# Allegro board HY_MPMB_2S12_RZ_V10A.brd (continued)
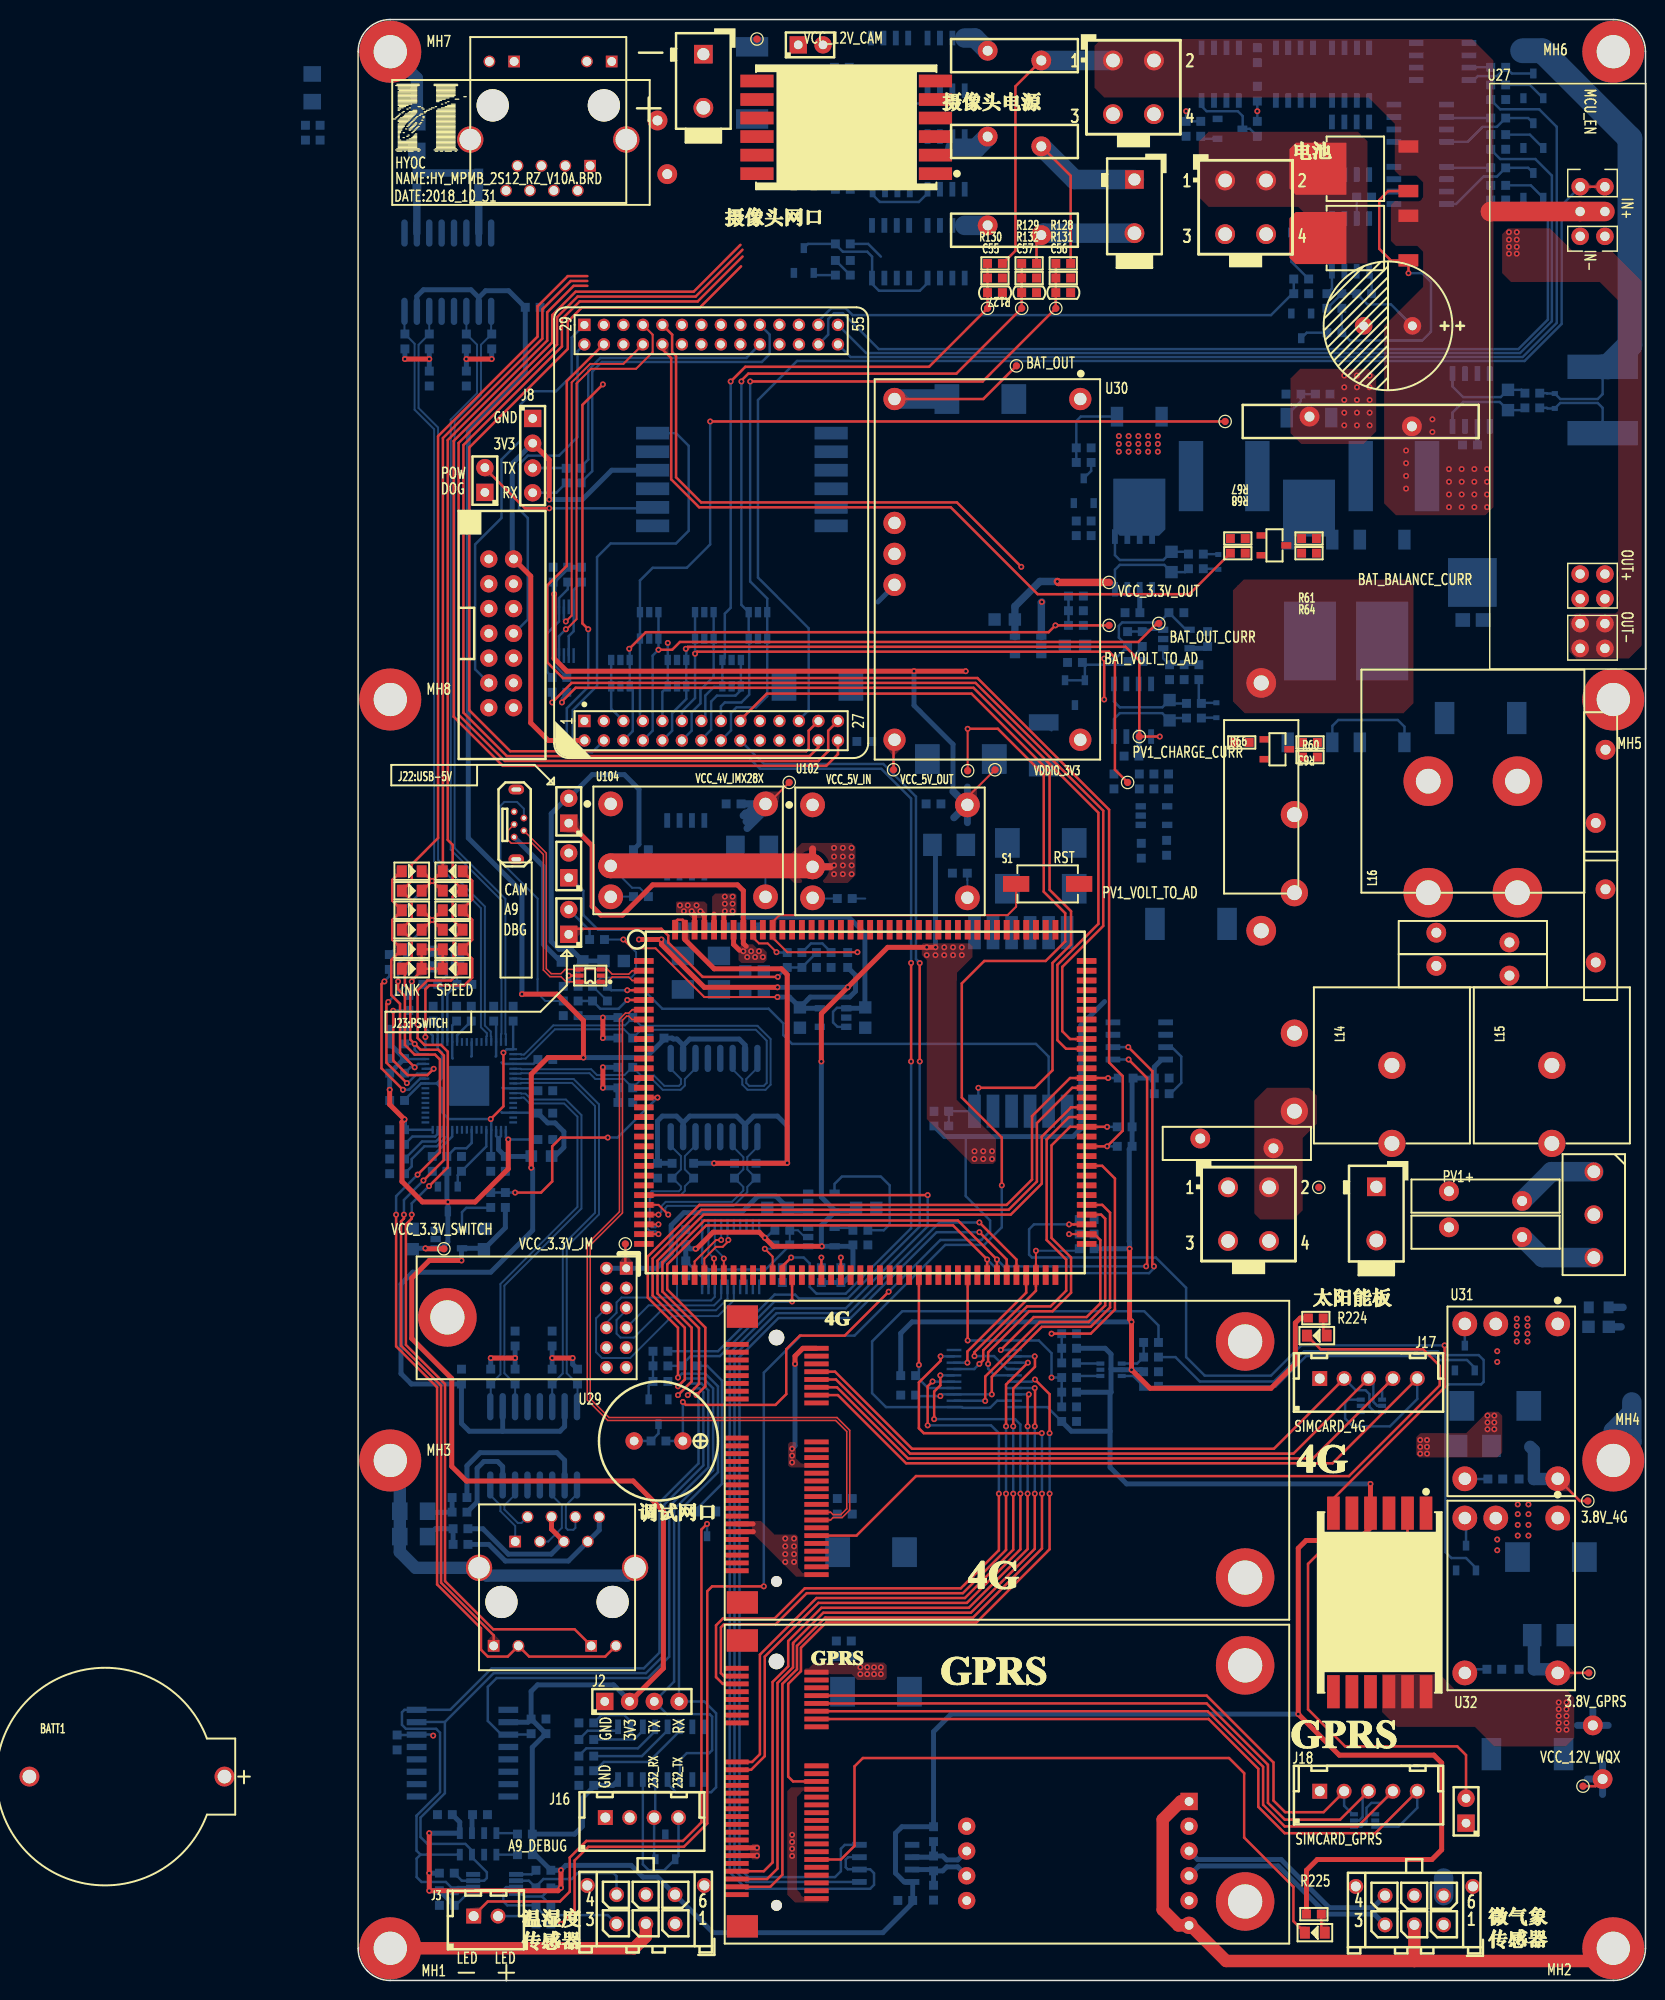
[diagram p0: board, top side]
## Nets (continued)
Pads without a net: J5 4; J9 4 6 10 12 13 14; J16 2; J19 5; J20 5; MH6 1; MH8 1; T1 4 5 12 13; T2 4 5 12 13; T3 4 5 12 13; U1 19 20 21 22 24 31 33 34 42 43 44 45 46 49 50 51 52; U4 9 10 11 12; U5 1; U15 7 8 10 11 28 29 31 32 41 42 43 51 52 53; U16 6; U19 3; U20 4; U25 4; U26 4; U30 3 4; U34 4; U35 3; U39 2 5; U42 3; U49 4 8; U50 7 8 9 10; U51 6 7 8 9 11 12 13 14; U56 1 3 5 6 7 11 13 16 17 19 20 22 23 25 28 30 31 32 33 44 45 46 47 48 49 51; U57 1 6 7 11 13 16 20 23 25 28 30 31 32 33 36 38 44 46 48 51; U58 1; U96 1 8 9 10 11 12 13 14 16 17 18 19 20 21 22 23 24 31 32 37 38 39 40 44 45 47 49 50 51 52 53 54 55 57 58 59 60 62 71 76 77 78 80 82 86 89 90 93 94 95 96 97 98 101 102 103 104 105 106 107 108 109 110 111 112 113 114 115 116 117 118 119 120 123 124 125 126 127 128 129 131; U99 1 4; U103 4; U106 4

## Via types
v1: diameter 0.61, hole 0.305, TOP to BOTTOM, 361 vias

## Routing (per net, layer and track width the routed paths; a pad name or vN(x,y) marks a point on that pad's centre or on a via; arc(x,y) is an arc through that point)
3.8V_4G: length 25.5
  TOP w0.254: TP26.1 125.27,49.15 U31.5
  TOP w0.508: U56.2 45.6,64.8 44.8,64 v1(44.8,63.2) ; 40.5,46 U56.41 ; U56.39 40.5,46.8
  BOTTOM w0.508: v1(44.8,63.2) 44.8,54.8 v1(44.5,54.5)
  BOTTOM w1.27: 120.19,54.7 120.56,54.32 C64.1 122.97,51.4 U31.5
  vias: v1(43.8,45.3) v1(43.8,44.5) v1(43.8,43.7) v1(43.8,42.9) v1(44.5,53.8) v1(44.5,53.1) v1(44.7,45.3) v1(44.7,44.5) v1(44.7,43.7) v1(44.7,42.9) v1(108.9,55.4) v1(108.9,54.7) v1(108.9,54) v1(109.6,55.4) v1(109.6,54.7) v1(109.6,54) v1(115.8,57.9) v1(115.8,57.2) v1(115.8,56.5) v1(116.5,57.9) v1(116.5,57.2) v1(116.5,56.5)
3.8V_GPRS: length 13.6
  TOP w0.254: U32.5 123.01,31.53 TP27.1
  TOP w0.508: U57.41 v1(40.9,12.8) ; U57.39 v1(40.9,13.6)
  BOTTOM w1.27: C69.1 120.56,35.22 C70.1 122.62,31.9 U32.5
  vias: v1(44.5,14.94) v1(44.5,14.2) v1(44.5,13.5) v1(44.5,12.76) v1(51.5,32.1) v1(51.5,31.4) v1(52.2,32.1) v1(52.2,31.4) v1(52.9,32.1) v1(52.9,31.4) v1(53.6,32.1) v1(53.6,31.4)
5V_LED+: length 4.2
  BOTTOM w0.254: R98.2 17.44,6.6 J3.2
5V_LED-: length 61.5
  TOP w0.254: v1(35.78,46.8) 35.2,46.22 35.2,16.2 33.3,14.3 23.4,14.3 21.7,12.6 21.7,9.1 20.7,8.1 13.3,8.1 11.85,6.65 J3.1
  BOTTOM w0.254: v1(35.78,46.8) Q56.3
GND_EARTH: length 14.9
  BOTTOM w0.762: R156.1 129.7,69 ; C83.2 129.5,67
  BOTTOM w2: 130.4,58 128.7,56.3 MH4.1 130.6,55.2 130.6,59.3
PV1_CHARGE_CURR: length 68.4
  TOP w0.254: v1(82.2,127.5) TP6.1 80.1,135.3 78.7,136.7 33.8,136.7 v1(33.6,136.5)
  BOTTOM w0.254: v1(33.6,136.5) 33.65,136.45 U54.3 U54.4 33.65,131.35 32.2,129.9 32.2,128.1 U1.10 ; U20.5 v1(82.2,127.5)
PV1_CHARGE_DIODE: length 78.2
  TOP w0.254: R68.2 85.24,142.1 69.67,142.1 60.77,151 34.97,151 32.1,153.87 32.1,166.3 31.2,167.2 U1.38
PV1_VOLT_TO_AD: length 68.4
  TOP w0.254: TP5.1 77.6,124.1 77.6,135.6 77,136.2 34.75,136.2 v1(34.55,136)
  BOTTOM w0.254: U1.11 33.2,130.1 34.55,131.45 v1(34.55,136) U107.6 U107.1
PV2_CHARGE_CURR: length 8.2
  BOTTOM w0.254: U1.9 31.2,132.1 U54.6 U54.1 v1(31.75,137.1)
PV2_VOLT_TO_AD: length 11
  BOTTOM w0.254: U108.3 U108.4 39.25,132.25 38.7,131.7 36.8,131.7 36.2,131.1 36.2,128.2 35.2,127.2 U1.14
VBUS: length 39.8
  BOTTOM w0.508: L2.1 C4.2 ; L2.1 22.56,104.02 R375.1 ; L2.1 21.84,105.7 20.6,105.7 19.8,106.5 19.8,119.6 21.37,121.17 J22.2 21.6,121.2 24,123.6 27.3,123.6 28.8,122.1 28.8,116.46 R230.1
VBUS_5V: length 35.1
  TOP w0.508: U96.134 38.5,106.2 39.1,105.6 ; J22.1 21.67,118.63 24,116.3 24,110.1 24.9,109.2 27.1,109.2 30.2,112.3 38.9,112.3 39.5,111.7 U96.133 39.5,106.3 39.8,106
  vias: v1(39.5,105.5) v1(39.9,104.9) v1(40.3,105.5) v1(40.7,104.9) v1(41.1,105.5) v1(41.5,104.9)
VCC_2.5V: length 77.5
  TOP w0.254: U96.140 32.5,108.47 32.75,108.72 33.28,108.72 33.5,108.5 U96.139
  TOP w0.508: v1(36.5,83.76) 43.96,83.76 v1(44,83.8) 44,103.1 43.4,103.7 36.5,103.7 33.5,106.7 U96.139
  BOTTOM w0.508: 33.33,87.92 32.65,88.6 31.2,88.6 30.7,88.1 C110.1 R210.2 ; 33.33,87.92 34,88.6 38.8,88.6 39.67,87.72 ; 33.33,87.92 T3.15 ; 39.67,87.72 40.55,88.6 43,88.6 44,87.6 v1(44,83.8) 40.84,83.8 R213.2 ; 39.67,87.72 T3.10 ; R212.2 v1(36.5,83.76) R211.2
VCC_2.5V_REF: length 10.7
  BOTTOM w0.254: 74.5,134.87 78.6,134.87 C48.2 80.4,136.66 R86.1 ; 74.5,134.87 74.52,134.85 U48.2 U48.1 ; 74.5,134.87 R220.2
VCC_3.3V_JM: length 28.6
  TOP w0.254: U4.1 27.4,73.1 TP25.1
  BOTTOM w0.508: U4.2 U4.1 30.6,73 32.1,74.5 32.1,77.4 33.4,78.7 39.3,78.7 41,80.4 42.84,80.4 C74.1 44.39,78.85 U35.1
VCC_3.3V_JTAG: length 55.1
  TOP w0.508: 17.97,157.57 J8.2 19.6,155.87 v1(19.6,151.8) ; J9.2 17.7,143.94 17.7,128.9 19.5,127.1 U1.2
  BOTTOM w0.508: v1(19.6,151.8) 23,151.8 26,154.8 U45.4 30.3,154.8 ; J9.2 15.8,145.84 15.8,155.47 J8.2
VCC_3.3V_OUT: length 101.9
  TOP w0.254: v1(54.4,70.6) 49.9,66.1 45.3,66.1 43.9,64.7 43.9,60.1 42.8,59 33.6,59 v1(33.3,59.3)
  TOP w0.762: v1(71.7,143.4) 71.8,143.3 TP24.1
  BOTTOM w0.254: R136.1 U29.1 v1(33.3,59.3) ; v1(54.4,70.6) 59.7,75.9 63.9,75.9 64.8,76.8 64.8,77.9 62.3,80.4 62.3,86.5
  BOTTOM w0.508: 76.54,100.34 74.1,97.9 74.1,87.3 73.3,86.5 60.14,86.5 R145.1
  BOTTOM w0.762: v1(71.7,143.4) 69.9,143.4 67.35,140.85 67.35,139.5 ; U34.5 67.35,139.5 ; 67.35,139.5 C76.1
VCC_3.3V_SWITCH: length 57.2
  TOP w0.508: TP22.1 6.95,75 v1(6.9,75.05) ; v1(3.24,91.3) 3.24,89.79 v1(4.76,88.26) 4.5,88 4.5,81.9 6.6,79.8 v1(9.2,79.8) 12,79.8 15.4,83.2 v1(15.4,86.2)
  BOTTOM w0.254: C92.2 4.81,94.45 U15.62 ; U15.33 15.15,86.45 v1(15.4,86.2) C93.2 ; U15.48 C94.2
  BOTTOM w0.508: R195.2 9.1,79.9 v1(9.2,79.8) U47.3 9.2,75.7 8.55,75.05 U42.1 v1(6.9,75.05) 5.69,75.05 C82.1 ; R182.1 R183.2 3.26,96 C92.2 4.74,94.5 R184.2 v1(3.24,91.3) ; C94.2 v1(4.76,88.26)
VCC_3V3_USB: length 45.6
  TOP w0.203: v1(27.2,106.7) 28.1,105.8 30.5,105.8 35.5,100.8 v1(43,100.8)
  BOTTOM w0.203: R372.2 v1(27.2,106.7) 28.5,105.4 28.5,103.3 28,102.8 24.9,102.8 24.04,101.94 R350.1 24.06,101.9 R351.1
  BOTTOM w0.508: R369.2 51,103.04 51,101.4 50.4,100.8 46.36,100.8 C242.1 ; C242.1 44.24,100.8 44.1,100.8 ; C242.1 45.39,99.65 U106.5 ; 44.1,100.8 44.31,100.59 ; 44.1,100.8 v1(43,100.8)
VCC_4V_IMX28X: length 30.2
  TOP w0.508: U96.136 36.5,109.3 ; U96.135 37.5,109.3
  BOTTOM w0.254: U106.1 50,99.7 49.1,99.7 48.7,99.3 48.7,98.2 49.15,97.75 U106.3
  BOTTOM w0.508: 39.4,109 50.3,109 51.96,107.34 51.96,99.78 C241.1 51.91,99.65 U106.1
  vias: v1(37.6,111.1) v1(37.6,110.36) v1(37.6,109.6) v1(38.4,111.1) v1(38.4,110.36) v1(38.4,109.6)
VCC_5V_IN: length 5.6
  TOP w0.254: TP17.1 54.9,127.08 U30.6
  BOTTOM w0.508: 53.3,141.3 55,143 U30.5
VCC_5V_OUT: length 189.7
  TOP w0.203: TP18.1 v1(62.5,128.3)
  TOP w0.254: v1(66,81.5) 66,86.4 61.9,90.5 61.9,102.2 64.2,104.5 70.5,104.5 72.5,106.5 72.5,109.4 70.3,111.6 70.3,123.6 65.6,128.3 v1(62.5,128.3) ; v1(41.6,40.4) 36.3,40.4 35.8,39.9 35.8,16.1 33.4,13.7 23.6,13.7 22.2,12.3 22.2,7.2 v1(20.8,5.8)
  BOTTOM w0.254: v1(41.6,40.4) 41.6,62.3 45.4,66.1 50.9,66.1 60.2,75.4 64.2,75.4 66,77.2 v1(66,81.5) ; R98.1 v1(20.8,5.8) ; L8.1 71.1,128.15
  BOTTOM w0.508: U26.6 C54.1 ; U20.6 80.06,127.48 C39.1 ; C47.2 86.91,136.55 U24.5 ; U25.6 80.14,140.22 C50.1
  BOTTOM w0.762: v1(70.1,141.3) 70.05,141.25 U34.1
VCC_12V_WQX: length 8.8
  TOP w0.254: TP23.1 126.87,19.92 F4.2
  BOTTOM w0.711: 127.6,19.07 F4.2 ; F4.2 126.03,20.65 ; F4.2 127.6,22.23
  BOTTOM w2: J20.6 111.3,10.5
VDDIO_3V3: length 693.7
  TOP w0.203: TP28.1 62.48,121.28 U102.5
  TOP w0.508: v1(7.3,15.1) v1(7.3,11) v1(7.3,9.2) 20.5,9.2 v1(20.8,9.5) v1(20.8,11.3) ; v1(10.6,73.8) 7.3,73.8 5.5,72 5.5,65.8 9.6,61.7 9.6,52.7 11.1,51.2 28.2,51.2 31.3,48.1 31.3,32 27.9,28.6 J2.2 ; v1(47.5,94.2) 47.5,99.1 v1(50.2,101.8) 54.3,105.9 v1(58.3,105.9) v1(59.2,105.9) ; U96.137 35.5,109.2 v1(35.1,109.6) ; v1(34.2,109.6) 34.2,109.53 34.5,109.23 U96.138 ; v1(43,101.8) 35.5,101.8 31.1,106.2 v1(31.1,106.7) v1(28.8,106.7) ; v1(34.6,75) 34.7,75 36.4,76.7 41.13,76.7 v1(41.7,76.13) 42.58,75.25 v1(47.55,75.25) ; v1(79.1,75) 79.1,67.8 79.3,67.6 v1(79.3,67.5) v1(79.3,62.6) 81.2,60.7 93.6,60.7 96.1,63.2 96.1,67.4 96.6,67.9 R224.1 ; v1(20.1,142.1) 20.1,135.5 21.4,134.2 v1(57,134.2) v1(62.3,134.2) ; v1(103.8,50.9) U44.4 103.8,46.4 102.5,45.1 97.2,45.1 96.4,44.3 v1(96.4,27.3) 100.6,23.1 110.3,23.1 111.1,22.3 111.1,13.4 110.1,12.4 98.35,12.4 97.24,11.29 R225.1
  BOTTOM w0.254: C2.1 35.27,72.09 U51.20 ; R149.2 42.6,76.9 41.83,76.13 v1(41.7,76.13) ; C121.1 70.66,58.77 U8.20 ; U17.8 16.77,8.93 17.1,8.6 18.86,8.6 ; U17.1 11.22,8.93 10,7.7 C35.2 ; R47.1 18.86,8.6 ; 18.86,8.6 R46.1 ; R53.1 C38.2 ; U49.1 v1(20.1,142.1)
  BOTTOM w0.508: R50.1 v1(7.3,11) ; R48.1 R49.1 18.16,12.9 R52.1 v1(20.8,11.3) 21.3,11.8 28,11.8 29.2,10.6 30.7,10.6 J19.6 36.4,4.9 53.8,4.9 56.86,7.96 C86.2 56.86,10.04 U40.8 56,10.1 55.1,11 55.1,15.1 55.76,15.76 R175.1 59,25.5 60.8,27.3 v1(96.4,27.3) ; R48.1 22.2,15 23,15.8 23,18.7 24.16,19.86 C120.2 26.15,20 26.66,20.51 U50.16 ; R48.1 17.86,23.9 R374.2 17.76,26.8 C239.2 ; 77.1,56.3 77.1,60.2 77.2,60.3 ; 77.1,56.3 77.1,52.6 78.8,50.9 v1(103.8,50.9) ; 77.1,56.3 73.14,56.3 C121.1 ; C73.1 50.71,78.85 U35.5 48.81,78.89 ; 48.81,78.89 48.81,78.71 47.5,77.4 47.5,75.3 v1(47.55,75.25) U36.5 50.59,75.25 C72.2 50.74,72.54 49.74,71.54 R355.2 R354.2 ; 48.81,78.89 48.81,78.99 47.5,80.3 v1(47.5,94.2) ; 77.2,62.7 77.2,64.2 76.6,64.8 R33.1 ; 77.2,62.7 77.3,62.6 U10.5 v1(79.3,62.6) 80.34,62.6 C14.1 ; 77.2,62.7 77.2,60.3 ; J2.2 27.83,28.67 26.2,30.3 18.4,30.3 17.74,29.64 C239.2 ; R7.1 R363.2 21.5,144.84 C118.1 20.1,143.24 v1(20.1,142.1) ; v1(7.3,9.2) R51.1 8.36,9.2 C35.2 ; C2.1 R3.1 34.04,75 v1(34.6,75) ; U19.8 82.4,94.4 81.64,93.64 C38.2 R364.2 79.36,92.4 R362.2 R361.2 79.06,85.2 79.06,75.72 79.1,75.69 v1(79.1,75) R356.2 ; v1(7.3,15.1) U16.1 10.43,16.24 C36.2 ; v1(59.2,105.9) 59.2,115.48 59.5,115.78 C128.1 ; C239.2 17.41,26.48 U99.2 ; v1(31.1,106.7) 31.2,106.7 32.28,105.62 32.28,105.01 33.29,105.01 C197.1 ; 77.2,60.3 R28.1 ; R47.1 v1(20.8,9.5) ; v1(57,134.2) 57,130.7 61,126.7 61,122.5 ; R158.2 15.1,77.16 C81.1 12.81,75.05 U42.5 10.6,75 v1(10.6,73.8) ; v1(50.2,101.8) v1(43,101.8) ; R23.1 55.64,66.34 56.8,67.5 v1(79.3,67.5)
  BOTTOM w0.711: 62.48,122.33 U102.5 62.48,118.67
  BOTTOM w0.762: 62.4,120.5 U102.5 ; 62.4,120.5 61,121.9 ; 62.4,120.5 61.1,119.2
  vias: v1(33,110.2) v1(33.4,109.6) v1(33.8,110.2) v1(34.7,110.2) v1(58.3,105.1) v1(59.2,105.1) v1(60.1,105.9) v1(60.1,105.1) v1(61,105.9) v1(61,105.1) v1(61.9,105.9) v1(61.9,105.1) v1(63.2,85) v1(63.2,84.2) v1(64.1,85) v1(64.1,84.2) v1(65,85) v1(65,84.2)
4G_UIM_CLK: length 68.1
  TOP w0.254: J17.4 97.91,53.51 56.39,53.51 49.1,60.8 U56.12
  BOTTOM w0.254: J17.4 104.99,60.59 U58.4
4G_UIM_DATA: length 66.6
  TOP w0.254: J17.3 95.91,54.01 56.59,54.01 49,61.6 U56.10
  BOTTOM w0.254: J17.3 104.1,61.2 104.1,59.3 104.5,58.9 U58.5
4G_UIM_RST: length 82.4
  TOP w0.254: U56.14 49.2,60 56.18,53.02 99.92,53.02 J17.5
  BOTTOM w0.254: J17.5 108.6,59.6 105.8,56.8 102,56.8 101.2,57.6 101.2,59.2 101.53,59.53 U58.3
4G_UIM_VDD: length 66.4
  TOP w0.254: U56.8 48.9,62.4 56.8,54.5 93.9,54.5 J17.2
  BOTTOM w0.254: U58.6 104.23,58.27 103.69,58.81 103.69,60.11 103.3,60.5 102.3,60.5 J17.2
232_RX: length 8.3
  BOTTOM w0.254: U55.2 30.35,12.56 J16.3 30.46,16.82 U50.13
232_TX: length 17.1
  BOTTOM w0.254: J16.4 32.85,12.76 U55.1 31.39,11.3 29.8,11.3 29.2,11.9 U50.14
A: length 7.7
  BOTTOM w0.508: R177.1 59.94,12.76 60.35,12.36 61.49,12.36 U39.9 ; R177.1 58.88,12.64 U40.6 ; R177.1 R175.2
AUART3_CTS_A: length 39.2
  TOP w0.254: v1(76.8,87.5) U96.83 73,87.5 71.1,85.6 71.1,76.11 73.1,74.11 73.1,70.49 71.21,68.6 68.81,68.6 64.6,64.39 v1(64.6,63.2)
  BOTTOM w0.254: 67.3,62.02 65.28,62.02 64.6,62.7 v1(64.6,63.2) ; v1(76.8,87.5) R362.1
AUART3_CTS_B: length 66.4
  TOP w0.254: v1(65.7,49.9) 65.7,44.1 61.8,40.2 45.8,40.2 42.7,37.1 37.4,37.1 36.7,36.4 36.7,31.1 37.4,30.4 U57.5 ; v1(58.9,61.4) 58.4,60.9 v1(58.4,56.9)
  BOTTOM w0.254: U8.5 59.02,61.38 59,61.4 v1(58.9,61.4) ; v1(65.7,49.9) 65.7,56.1 64.9,56.9 v1(58.4,56.9)
AUART3_RTS_A: length 60.4
  TOP w0.254: U57.3 37.5,31.2 37.2,31.5 37.2,36.2 37.5,36.5 42.8,36.5 46,39.7 62.01,39.7 66.44,44.13 v1(66.44,49.9) ; v1(66.44,56.8) 66.44,61.09 v1(68.67,63.33)
  BOTTOM w0.254: v1(66.44,49.9) v1(66.44,56.8) ; U8.13 v1(68.67,63.33)
AUART3_RTS_B: length 36.8
  TOP w0.254: U96.84 72.9,88.5 70.6,86.2 70.6,75.9 72.6,73.9 72.6,70.7 71,69.1 68.6,69.1 64.1,64.6 64.1,63.6 v1(63.7,63.2)
  BOTTOM w0.254: v1(63.7,63.2) 63.17,62.67 U8.7
AUART3_RX_A: length 22.6
  TOP w0.203: U96.68 v1(69.5,74.8)
  TOP w0.254: v1(63.2,64) 63.2,64.4 69.5,70.7 U96.68
  BOTTOM w0.203: v1(69.5,74.8) 73.74,74.8 R356.1
  BOTTOM w0.254: U8.14 66.53,62.67 65.2,64 v1(63.2,64)
AUART3_RX_B: length 72.5
  TOP w0.254: v1(59.7,62.02) 59.7,61 59.06,60.37 v1(59.06,57.53) ; U57.19 40.3,21.6 41.69,22.99 41.69,33.2 47.2,38.71 62.42,38.71 67.91,44.2 v1(67.91,49.9)
  BOTTOM w0.254: 61.1,62.02 v1(59.7,62.02) ; v1(67.91,49.9) 67.91,56.99 67.36,57.53 v1(59.06,57.53)
AUART3_TX_A: length 66.2
  TOP w0.254: U57.17 40.4,22.4 41.2,23.2 41.2,33.4 47,39.2 62.21,39.2 67.17,44.16 v1(67.17,49.9) ; v1(69.38,63.98) 69.4,63.95 69.4,62.9 67.17,60.67 v1(67.17,56.8)
  BOTTOM w0.254: v1(67.17,49.9) v1(67.17,56.8) ; U8.12 v1(69.38,63.98)
AUART3_TX_B: length 12.8
  TOP w0.254: U96.67 68.5,70.5 62.48,64.47 v1(62.48,63.33)
  BOTTOM w0.254: U8.8 v1(62.48,63.33)
AUART4_RX: length 10.9
  BOTTOM w0.254: R358.2 19.9,133.6 19.4,134.1 19.4,138.1 20.6,139.3 U49.2 20.6,141.7 21.5,142.6 R363.1
AUART4_TX: length 2.8
  BOTTOM w0.254: R359.2 20.1,134.86 U49.10
B: length 7.7
  BOTTOM w0.508: R177.2 58.87,11.37 U40.7 ; R177.2 R176.1 ; R177.2 59.94,11.24 60.35,11.64 61.49,11.64 U39.8
BAT1: length 58.5
  TOP w0.254: F5.1 67.4,194.15 67.4,177.3 66.1,176 R127.2
  TOP w2: U27.4 U27.3 116.12,181.32 116.1,181.3
  BOTTOM w0.254: R121.2 v1(92.2,191.6) R218.1 ; C117.1 105.9,171.8 103.5,171.8 102.4,172.9 R219.1 R122.2 99.36,171.4 R377.2 ; D1.2 86.52,130.96 R56.2 86.2,131.16 R87.1
  BOTTOM w2: J13.1 F5.1
  vias: v1(107.45,156.82) v1(107.45,155.52) v1(107.45,154.22) v1(107.45,152.92) v1(110.15,160.02) v1(110.15,158.72) v1(111.85,154.92) v1(111.85,153.62) v1(111.85,152.32) v1(111.85,151.02) v1(113.15,154.92) v1(113.15,153.62) v1(113.15,152.32) v1(113.15,151.02) v1(114.45,154.92) v1(114.45,153.62) v1(114.45,152.32) v1(114.45,151.02) v1(115.75,154.92) v1(115.75,153.62) v1(115.75,152.32) v1(115.75,151.02)
BAT1+:
  vias: v1(101.11,164.5) v1(101.11,163.3) v1(101.11,162) v1(101.11,160.7) v1(101.11,159.4) v1(102.41,164.5) v1(102.41,163.3) v1(102.41,162) v1(102.41,160.7) v1(102.41,159.4) v1(103.71,164.5) v1(103.71,163.3) v1(103.71,162) v1(103.71,160.7) v1(103.71,159.4)
BAT1_VOLT: length 70.6
  TOP w0.254: v1(38.2,163.9) 39.7,165.4 58.54,165.4 TP13.1 C55.1 R130.2 R127.1
  BOTTOM w0.254: v1(38.2,163.9) 38.2,140.7 37.6,140.1 37.6,135.6 U108.1 U108.6 37.3,132.6 36.5,132.6 35.6,131.7 35.6,129.5 U1.13
BAT2: length 24.2
  TOP w0.254: R128.2 73.06,184.99 F9.1
  BOTTOM w2: J26.1 73.45,184.6 F9.1
BAT2_VOLT: length 79.7
  TOP w0.254: R128.1 R131.2 C56.1 TP14.1 64.04,163.9 v1(40.2,163.9)
  BOTTOM w0.254: U1.16 38.23,128.13 38.23,129.93 38.8,130.5 40.8,130.5 41.95,131.65 U109.4 U109.3 41.95,141.65 40.2,143.4 v1(40.2,163.9)
BAT3: length 12.7
  TOP w0.254: F6.1 69.56,178.41 R129.2
  BOTTOM w2: J26.2 70.25,179.1 F6.1
BAT3_VOLT: length 73.8
  TOP w0.254: v1(39.3,163.9) 39.3,164 40,164.7 61.34,164.7 TP15.1 C57.1 R132.2 R129.1
  BOTTOM w0.254: U1.15 37.2,130.6 37.6,131 39.3,131 40.1,131.8 40.1,137.5 U109.6 U109.1 39.3,141 v1(39.3,163.9)
BAT_BALANCE_CURR: length 88.8
  TOP w0.254: TP12.1 v1(36.1,159.8)
  BOTTOM w0.254: v1(36.1,159.8) 36.1,147.2 33.7,144.8 30.2,144.8 28.9,143.5 U53.1 U53.6 28.9,129.4 U1.7 29.3,129.2
BAT_OUT: length 20.8
  TOP w0.254: U30.2 64.1,162.1 TP16.1
  BOTTOM w0.254: D7.2 88.16,146.2 R91.2
  BOTTOM w2: U30.2 60.37,162.1
BAT_OUT_CURR: length 66.2
  TOP w0.254: v1(30.8,136.4) 32.2,136.4 33,137.2 80,137.2 81.9,139.1 TP10.1
  BOTTOM w0.254: U1.8 30.2,128.1 30.2,135.8 v1(30.8,136.4) U53.4 U53.3
BAT_OUT_DIODE: length 55.4
  TOP w0.254: v1(68,144.9) 61.4,151.5 35.18,151.5 32.6,154.08 32.6,166.5 32.2,166.9 32.2,168.7 U1.37
BAT_VOLT_TO_AD: length 64.5
  TOP w0.254: v1(27.8,136.5) 29.5,138.2 70.8,138.2 v1(71.5,138.9) TP11.1
  BOTTOM w0.254: R92.2 R89.1 C52.2 v1(71.5,138.9) ; U1.6 28.17,128.07 28.17,132.33 U52.4 U52.3 27.85,136.45 v1(27.8,136.5)
BAT_VOUT:
  vias: v1(78,158.3) v1(78,157.5) v1(78,156.7) v1(79,158.3) v1(79,157.5) v1(79,156.7) v1(80,158.3) v1(80,157.5) v1(80,156.7) v1(81,158.3) v1(81,157.5) v1(81,156.7) v1(82,158.3) v1(82,157.5) v1(82,156.7) v1(116.8,64.5) v1(116.8,63.4) v1(116.8,45.2) v1(116.8,44.1) v1(118.8,67.84) v1(118.8,67.1) v1(118.8,66.3) v1(118.8,65.5) v1(118.9,48.8) v1(118.9,47.8) v1(118.9,46.7) v1(118.9,45.6) v1(119.9,67.84) v1(119.9,67.1) v1(119.9,66.3) v1(119.9,65.5) v1(120,48.8) v1(120,47.8) v1(120,46.7) v1(120,45.6)
C0_LED: length 25.8
  TOP w0.254: D22.1 4.4,113.7 3.5,112.8 3.5,110.68 D24.1 4.48,109.68 3.5,108.7 3.5,106.68 D26.1 4.48,105.68 3.4,104.6 3.4,101 4.3,100.1 4.3,95.1 v1(5.8,93.6)
  BOTTOM w0.254: U15.61 6.15,93.95 v1(5.8,93.6) 5.78,93.62 5.38,93.62 R184.1
C1_LED: length 162.7
  TOP w0.254: 23.5,174.7 21.5,174.7 18.4,171.6 18.4,168.5 8.2,158.3 8.2,117.1 5.5,114.4 5.5,112.7 4.5,111.7 D23.1 5.5,110.68 5.5,108.8 4.48,107.78 D25.1 5.5,106.68 5.5,104.7 4.5,103.7 D27.1 4.8,103.38 4.8,102 5.35,101.45 5.35,96.45 v1(5.8,96) 6.4,95.4 8.2,95.4 8.79,94.81 8.79,84.09 v1(6.7,82) ; v1(4.7,78.5) 4.7,78.1 4.4,77.8 4.4,65.07 8.51,60.97 8.51,40.77 13.9,35.38 J4.9
  BOTTOM w0.254: v1(6.7,82) 4.7,80 v1(4.7,78.5) ; U15.63 6.25,94.95 5.8,95.4 v1(5.8,96) R183.1
C2_LED: length 24.4
  TOP w0.254: D12.1 11.7,112.72 11.7,110.8 10.72,109.82 D18.1 11.7,108.72 11.7,106.68 D20.1 11.7,104.72 11.7,102.8 10.9,102 7.31,102 6.9,101.59 v1(6.9,96.7)
  BOTTOM w0.254: v1(6.9,96.7) U15.64
C3_LED: length 173
  TOP w0.254: J4.11 22.2,36 13.85,36 8.91,40.94 8.91,61.14 4.9,65.15 4.9,77.5 5.5,78.1 v1(5.5,78.5) ; v1(7.27,81.43) 9.2,83.35 9.2,95.2 8.5,95.9 6.8,95.9 6.1,96.6 v1(6.1,98) 6.1,101.5 7.1,102.5 9.52,102.5 D21.1 9.8,104.62 9.8,106.78 D19.1 9.7,108.72 9.7,111.1 10.3,111.7 D17.1 10.72,111.78 9.7,112.8 9.7,116.4 9.19,116.91 9.19,157.89 19.39,168.09 19.39,170.99 22.1,173.7 23.5,173.7
  BOTTOM w0.254: v1(5.5,78.5) 5.5,79.65 v1(7.27,81.43) ; U15.1 7.65,96.85 6.5,98 v1(6.1,98) 5.26,98 R182.2
CTL_A9POW: length 83.6
  TOP w0.254: U1.17 39.2,129.2 41.9,131.9 62.9,131.9 70.9,123.9 70.9,111.8 73.1,109.6 73.1,106.2 71.2,104.3 71.2,93.3 69.4,91.5 v1(63.6,91.5)
  BOTTOM w0.203: R145.2 R142.1
  BOTTOM w0.254: R142.1 U103.6 63.2,89.8 63.6,90.2 v1(63.6,91.5)
CTL_BAT_GATE0: length 106.5
  TOP w0.254: U1.26 47.2,126.4 46.3,125.5 15.25,125.5 10.8,129.95 10.8,157.39 20.9,167.49 20.9,170.29 22.71,172.1 34.81,172.1 39.41,176.7
  BOTTOM w0.254: R104.2 R102.1
CTL_BAT_GATE1: length 105.5
  TOP w0.254: U1.25 46.2,128.1 46.2,126.25 45.95,126 15.6,126 11.4,130.2 11.4,157.14 21.5,167.24 21.5,170.04 22.96,171.5 35.06,171.5 39.26,175.7
  BOTTOM w0.254: R113.2 R111.1
CTL_BAT_GATE2: length 113.2
  TOP w0.254: U1.28 49.2,125.7 48,124.5 14.84,124.5 9.8,129.54 9.8,157.8 19.9,167.9 19.9,170.7 22.3,173.1 34.4,173.1 39.2,177.9
  BOTTOM w0.254: R119.2 48.96,176.3 R117.1
CTL_BAT_GATE3: length 113.1
  TOP w0.254: U1.27 48.2,128.1 48.2,126 47.2,125 15.04,125 10.3,129.74 10.3,157.59 20.4,167.69 20.4,170.49 22.51,172.6 34.61,172.6 39.41,177.4
  BOTTOM w0.254: v1(84.9,191.6) R168.2 R123.1
CTL_BAT_GATE4: length 105.2
  BOTTOM w0.254: R103.1 R105.2 116.14,192.76 117.1,191.8 121.1,191.8 122.9,190 122.9,169.9 119.41,166.41 50.49,166.41 U1.56
CTL_BAT_GATE5: length 99.6
  BOTTOM w0.254: U1.55 52.09,166.81 119.14,166.81 122.4,170.07 122.4,185 120.7,186.7 117.1,186.7 116.14,187.66 R114.2 R112.1
CTL_BAT_GATE6: length 98.3
  BOTTOM w0.254: R118.1 R120.2 116.14,182.46 117,181.6 120.9,181.6 121.99,180.51 121.99,170.24 118.97,167.22 53.38,167.22 49.7,170.9 48.8,170.9 48.2,170.3 48.2,168.7 U1.54
CTL_BAT_GATE7: length 52.4
  BOTTOM w0.254: U1.53 47.2,170.1 48.5,171.4 50,171.4 50.7,170.7 93.6,170.7 95.8,172.9 R126.2 R124.1
CTL_BEEP: length 96.1
  TOP w0.254: v1(57.58,94.2) v1(57.58,104.29)
  BOTTOM w0.254: U1.18 41.6,124.69 53.85,124.69 57.2,121.35 57.2,104.7 57.34,104.56 57.34,104.54 v1(57.58,104.29) ; v1(57.58,94.2) 57.58,77.28 50.2,69.9 45.2,69.9 44.8,70.3 42.7,70.3 36.9,64.5 R138.1
CTL_CAM: length 142.6
  TOP w0.254: U96.42 43.5,73.2 v1(44.4,74.1) ; v1(23.6,138.5) 23,139.1 23,161.5 v1(25.1,163.6) ; v1(56.7,94.2) v1(56.7,104.3)
  BOTTOM w0.254: v1(23.6,138.5) 23.6,132.6 21.4,130.4 21.4,125.9 22,125.3 40.1,125.3 41.2,124.2 53.65,124.2 56.7,121.15 v1(56.7,104.3) ; v1(56.7,94.2) 56.7,77.1 50,70.4 47,70.4 46.3,71.1 46.3,73.5 45.7,74.1 v1(44.4,74.1) 43.5,73.2 R221.2
CTL_JM: length 4.2
  TOP w0.203: v1(41.7,75) 42.5,74.2 U96.41
  BOTTOM w0.203: v1(41.7,75) 42.34,75 R150.2
CTL_JM_BUSEN: length 21.5
  BOTTOM w0.203: U36.2 45.8,76.2 45.1,76.9 R149.1 R150.1 44.41,75.25 U36.1
  BOTTOM w0.254: 35.92,72.88 35.27,73.53 U51.1 ; 35.92,72.88 35.92,71.1 ; 35.92,72.88 41.77,72.88 44.26,75.36 R150.1
CTL_POW: length 47.9
  BOTTOM w0.254: U45.6 32.6,158.6 33.9,157.3 33.9,148.6 32.6,147.3 25.9,147.3 24.5,145.9 24.5,132.7 22.01,130.21 22.01,126.39 22.5,125.9 24,125.9 U1.4
CTL_SWITCH: length 24.6
  TOP w0.254: v1(25.6,86.4) 20.8,86.4 19.9,85.5 19.9,81.9 18.76,80.76 v1(16.1,80.76) ; U96.15 v1(30.7,90.5)
  BOTTOM w0.254: v1(30.7,90.5) 26.6,86.4 v1(25.6,86.4) ; v1(16.1,80.76) R158.1 R157.1
CTL_UC43_YYJH_12: length 138.5
  TOP w0.254: U27.1 U27.2
  BOTTOM w0.254: U1.23 45.2,129.2 46.2,130.2 46.2,138.6 41,143.8 41,162 45,166 119.6,166 123.4,169.8 123.4,181.96 U27.1
CTL_WQX: length 85.1
  TOP w0.254: U44.6 100,49.4 111.4,60.8 v1(111.4,65.1) ; U96.73 v1(72.9,77.5)
  BOTTOM w0.254: R222.2 73.44,77.5 v1(72.9,77.5) 69.3,77.5 68.8,77 68.8,74.4 69.1,74.1 81.8,74.1 84.9,71 84.9,63.9 86.8,62 93.6,62 96.7,65.1 v1(111.4,65.1)
DEBUG_RXN: length 7.1
  BOTTOM w0.203: J4.6 22.28,46.4 22.08,46.2 21.5,46.2 21.3,46.4 21.3,48.7 22.45,49.84 T2.9
DEBUG_RXP: length 7.6
  BOTTOM w0.203: J4.3 19.49,44.99 20.89,46.39 20.89,48.71 19.91,49.7 T2.11
DEBUG_TXN: length 6.2
  BOTTOM w0.203: J4.2 16.75,46.9 16.37,46.9 15,48.27 15,48.7 16.09,49.8 T2.14
DEBUG_TXP: length 6.9
  BOTTOM w0.203: T2.16 13.55,49.74 14.59,48.71 14.59,48.11 16.11,46.59 J4.1
DS_INT#: length 130.4
  TOP w0.254: U96.85 73.1,89.5 70.1,86.5 70.1,81.69 66.91,78.5 35.41,78.5 30.7,73.79 30.7,70.41 34.2,66.91 34.2,61.4 v1(32.8,60)
  BOTTOM w0.254: v1(32.8,60) 34,61.2 35.2,61.2 35.9,60.5 35.9,52.59 31.9,48.59 31.9,33.19 29.71,31 14.2,31 13.3,30.1 13.3,26.6 14.7,25.2 17.64,25.2 R374.1
DUART_RX: length 129.9
  TOP w0.254: v1(32.8,61.8) 32.8,66.9 29.7,70 29.7,74.2 35,79.5 66.5,79.5 69.1,82.1 69.1,88.6 73,92.5 U96.88 v1(76.9,92.5)
  BOTTOM w0.254: v1(32.8,61.8) 33.2,62.2 35.6,62.2 36.9,60.9 36.9,52.09 32.9,48.09 32.9,28.61 J2.4 35.5,28.6 36.71,27.39 36.71,19.81 36.2,19.3 32.6,19.3 31.73,20.16 U50.12 ; v1(76.9,92.5) R364.1
DUART_TX: length 124.7
  TOP w0.254: U96.87 73.21,91.5 69.6,87.89 69.6,81.89 66.71,79 35.21,79 30.2,73.99 30.2,70.21 33.5,66.91 33.5,61.6 v1(32.8,60.9)
  BOTTOM w0.254: U50.11 33.01,22.6 33.71,23.3 36.01,23.3 36.3,23.6 36.3,27.05 36.05,27.3 31.67,27.3 J2.3 32.4,30.63 32.4,48.3 36.4,52.3 36.4,60.7 35.4,61.7 33.6,61.7 v1(32.8,60.9)
E6071_AVDD_1.8V: length 27.5
  BOTTOM w0.254: 14.8,91.5 14.85,91.45 U15.25 18.19,91.45 C101.2 ; C58.2 9.65,97.89 U15.5 9.65,94.55 9.7,94.5 ; U15.9 11.65,94.75 11.6,94.7 ; C100.2 17.99,93.95 U15.20 14.85,93.95 14.7,94.1 ; 14.7,89 14.75,88.95 U15.30 18.39,88.95 C102.2 ; C62.2 14.15,98.09 U15.14 14.15,94.75 14.1,94.7
  BOTTOM w0.508: L3.2 20.2,84.5 21.1,85.4 21.1,87 20.2,87.9 19.44,87.9 C102.2
E6071_CT_1.8V: length 204.5
  TOP w0.508: v1(16.8,101.1) 20.4,101.1 23.1,98.4 v1(23.1,94.6) 19.46,94.6 17.76,92.9 v1(17.76,83.3)
  BOTTOM w0.254: U15.35 14.15,86.55 14.4,86.3 14.65,86.55 U15.34
  BOTTOM w0.508: v1(16.8,101.1) 16.8,111.6 11.3,117.1 11.3,159 17.14,164.84 C10.1 15.44,173.2 13.07,173.2 12.38,172.5 ; T1.7 6.03,172.62 6.7,173.3 11.57,173.3 12.38,172.5 ; 14.8,56.3 20.7,56.3 21.18,56.77 T2.7 ; 14.8,56.3 14.82,56.33 T2.2 ; 14.8,56.3 11.4,56.3 10.6,57.1 C32.1 5.46,61.14 4.4,62.2 4.4,71.4 5.6,72.6 13.6,72.6 17.9,76.9 17.9,83.16 v1(17.76,83.3) L3.1 17.72,84.46 C99.2 14.4,85.16 14.4,86.3 ; 33.33,95.83 34,96.5 39.07,96.5 39.67,95.89 T3.7 ; 33.33,95.83 33.33,95.88 32.7,96.5 32.3,96.5 32.2,96.6 C111.2 31.36,96.46 29.5,94.6 v1(23.1,94.6) ; 33.33,95.83 T3.2 ; 12.38,172.5 T1.2
E6071_VDD_CORE_1.2V: length 34.8
  TOP w0.254: v1(14.9,95.1) 14.9,89.6 v1(13.6,88.3)
  BOTTOM w0.254: C95.2 U15.17 15.25,95.45 v1(14.9,95.1) ; C97.2 8.15,97.89 U15.2 8.15,95.55 8.6,95.1 8.6,92.5 8.05,91.95 ; C98.2 13.65,84.51 U15.36 13.65,88.25 v1(13.6,88.3) 9.3,88.3 8.6,89 8.6,91.4 8.05,91.95 ; 8.05,91.95 U15.57 6.45,91.95 4.76,90.26 C96.2
ENET0_RXN0: length 16
  TOP w0.203: U96.28 v1(30.8,77.5)
  BOTTOM w0.203: T3.14 34.59,85.59 33.51,84.5 33.51,83.13 R211.1 34.34,82.24 33.51,81.41 33.51,80.93 33.07,80.49 30.27,80.49 29.9,80.13 29.9,77.41 30.1,77.2 30.5,77.2 v1(30.8,77.5)
ENET0_RXP0: length 16.7
  TOP w0.203: v1(30.8,76.5) U96.29
  BOTTOM w0.203: T3.16 32.05,85.55 33.1,84.5 33.1,83.14 R210.1 32.26,82.24 33.1,81.4 33.1,81.1 32.9,80.9 30.1,80.9 29.49,80.29 29.49,77.24 29.93,76.8 30.5,76.8 v1(30.8,76.5)